# KiCad board sbc.kicad_pcb (continued)
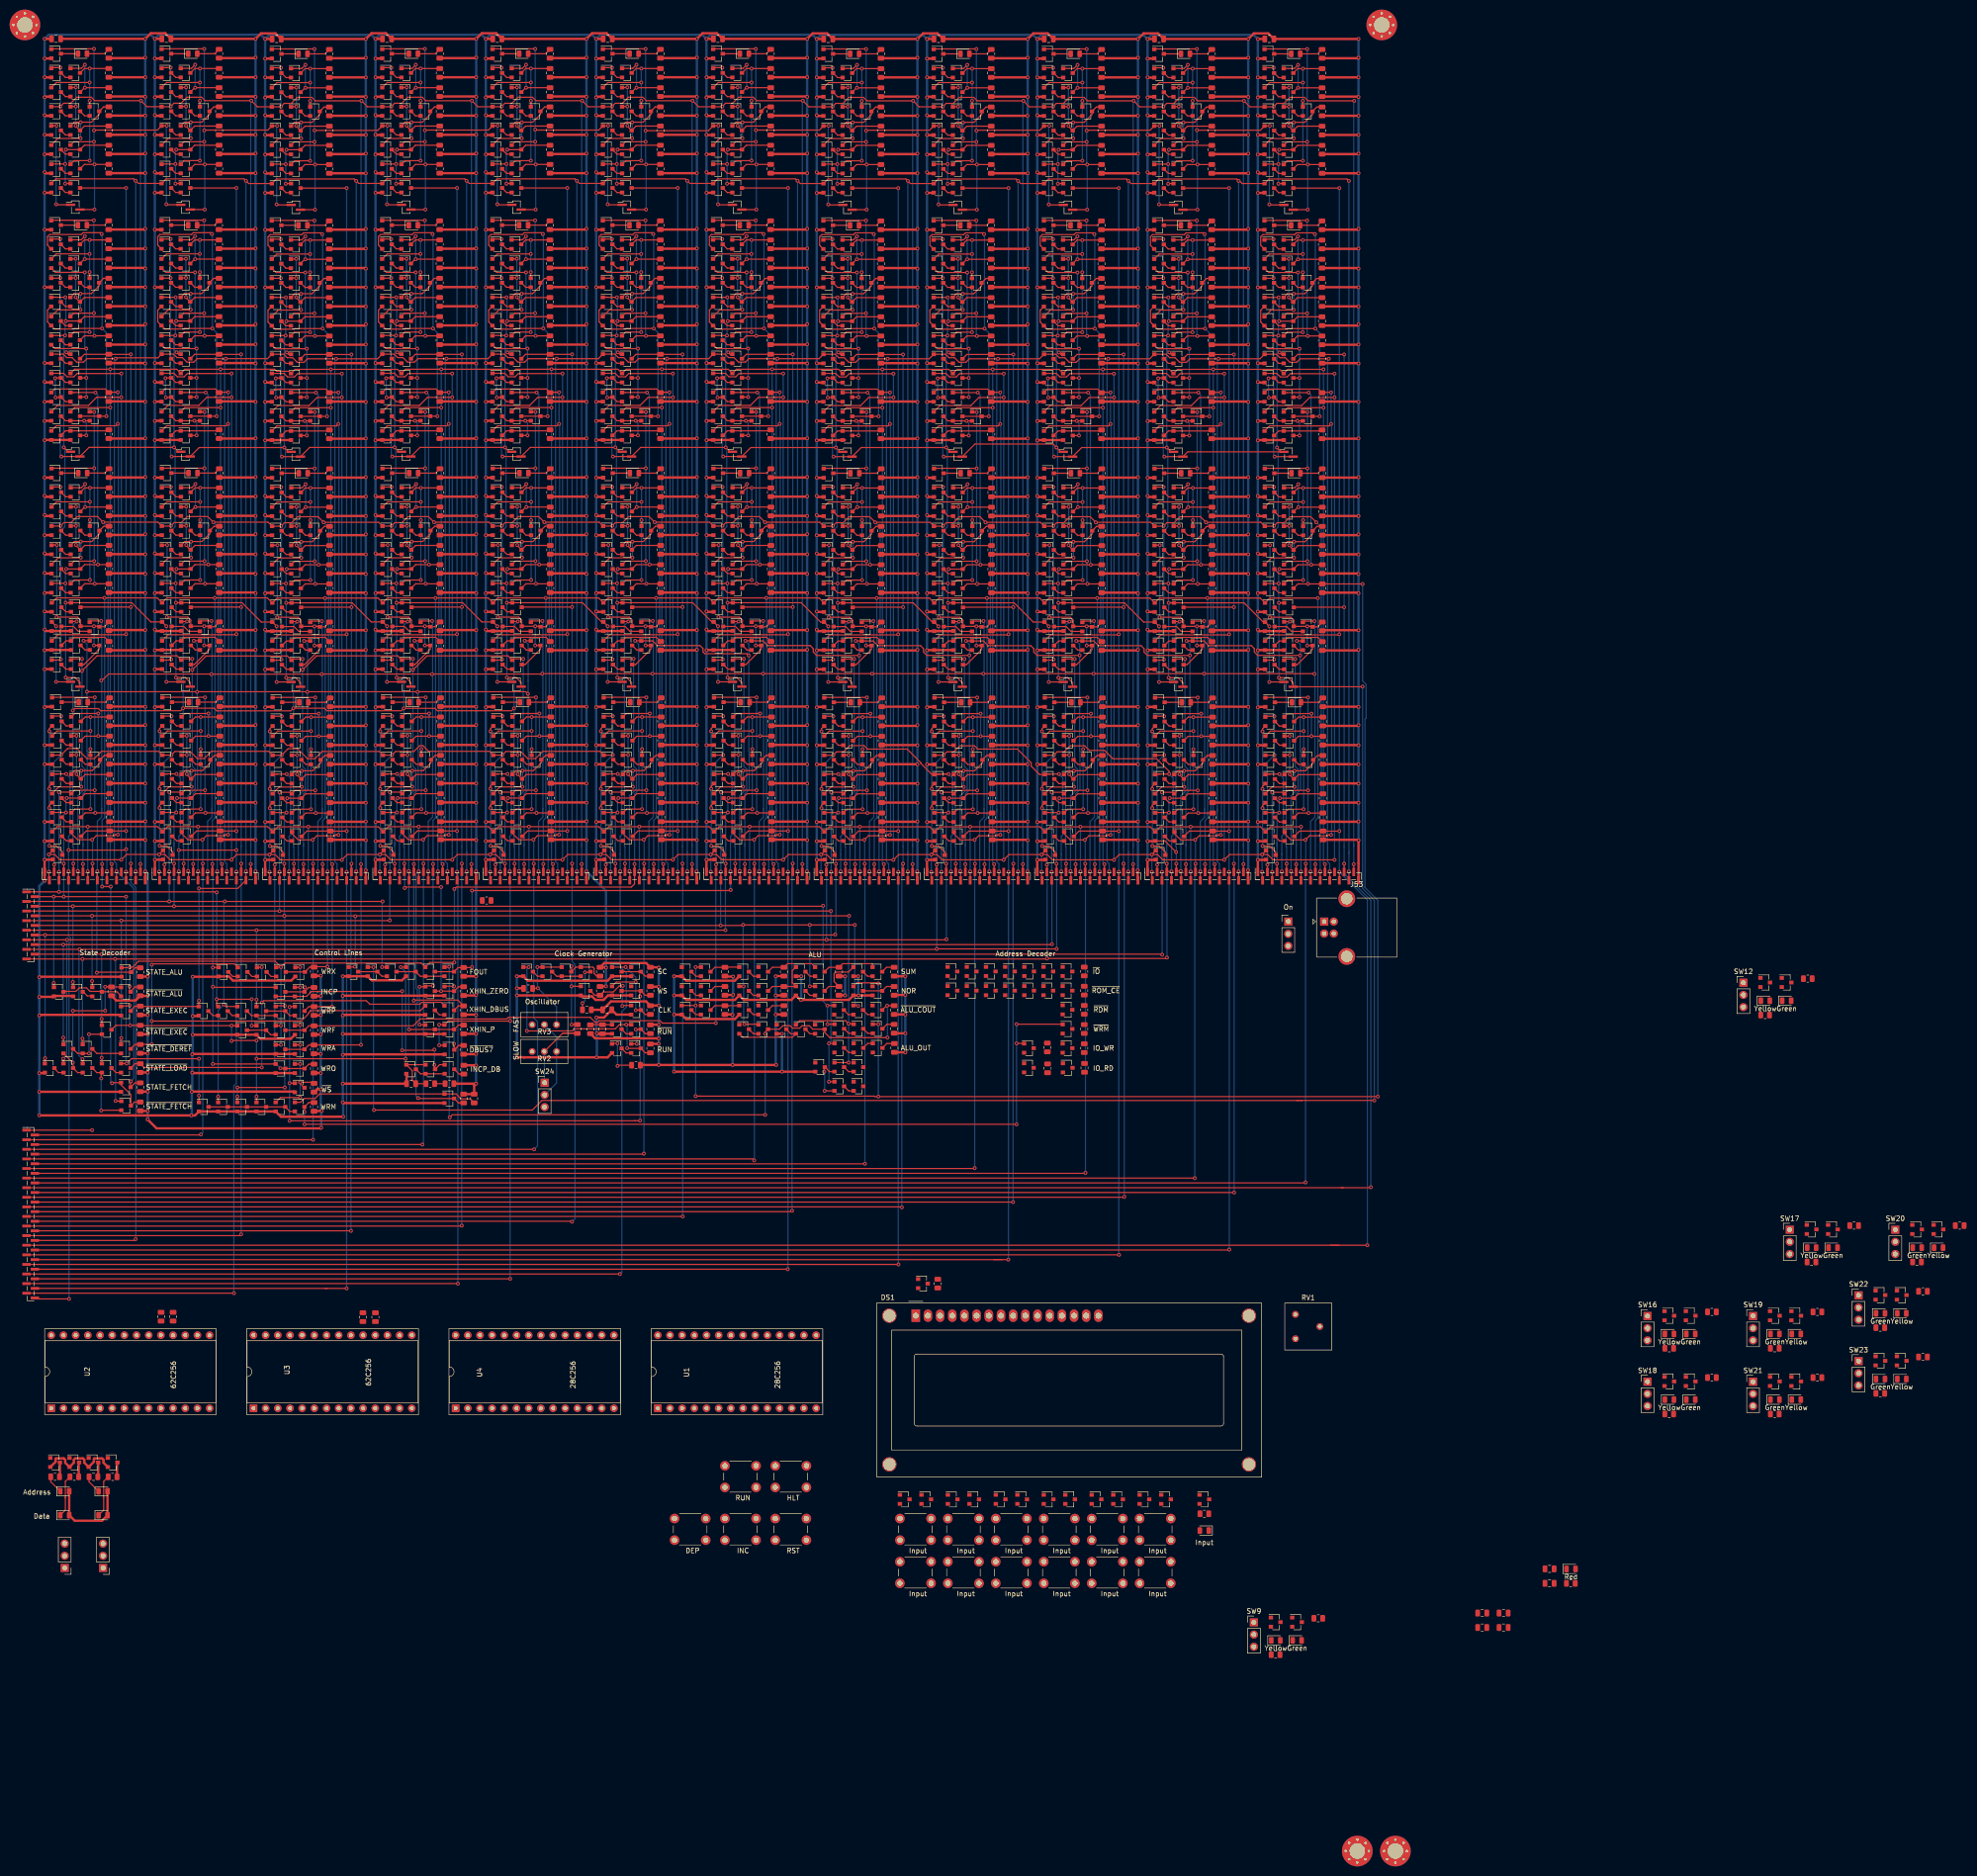
[diagram p0: board, top side]
## Routing (per net, layer and track width the routed paths; a pad name or vN(x,y) marks a point on that pad's centre or on a via; arc(x,y) is an arc through that point) (continued)
  Bottom w0.25: v1(5.1,209.65) 5.1,217.52 v1(5.08,217.55) v1(5.08,221.55) v1(5.08,233.55)
/Bit 11/X Register/X DFF/D: length 40.4
  Top w0.25: Q43.1 5.6,272.39 v1(6.65,272.39) ; Q23.3 12.3,247.45 15.5,250.65 Q21.3 v1(14.4,251.45) ; R12.2 16.54,255.35 Q24.3 15.4,255.45 v1(14.4,255.45) Q25.3 11.6,256.72 10.97,257.35 v1(6.6,257.35)
  Bottom w0.25: 6.55,272.29 v1(6.65,272.39) 6.65,257.4 v1(6.6,257.35) ; v1(14.4,251.45) v1(14.4,255.45)
/Bit 11/XOUT: length 57.4
  Top w0.25: Q31.3 12.46,264.3 v1(14.56,264.3) R14.2 ; v1(14.45,288.39) 14.42,288.42 5.63,288.42 Q20.1 ; Q35.1 10.24,269.03 v1(14.45,269.03) ; v1(14.45,300.15) 13.55,300.15 Q50.1
  Bottom w0.25: v1(14.56,264.3) 14.45,264.42 v1(14.45,269.03) v1(14.45,288.39) 14.45,288.96 v1(14.45,300.15)
/Bit 11/~{P}: length 99.6
  Top w0.25: R25.2 12.39,320.01 Q60.3 v1(8.53,319.1) ; Q58.1 5.53,316.1 v1(8.38,316.1) ; 6.58,324.1 5.53,324.1 Q68.1 5.48,324.05 v1(8.43,324.05) ; v1(8.1,292.75) 9.01,291.85 J5.1 ; v1(7.5,248.55) 7.35,248.4 Q28.1 ; Q45.1 9.01,312.2 v1(8.63,312.58)
  Bottom w0.25: v1(7.5,248.55) 7.5,275.37 8.33,276.19 8.33,292.53 v1(8.1,292.75) 8.1,314.75 ; 8.1,314.75 8.1,313.11 v1(8.63,312.58) ; 8.1,314.75 8.1,315.82 v1(8.38,316.1) 8.38,318.94 v1(8.53,319.1) 8.53,323.95 v1(8.43,324.05)
A0: length 57.1
  Top w0.25: R431.2 v1(267.56,351.73) 265.46,351.73 Q1035.3 ; Q1039.1 258.63,375.85 267.42,375.85 v1(267.45,375.82) ; v1(267.55,342.32) 264.52,342.32 ; Q1040.1 263.24,356.46 v1(267.45,356.46)
  Bottom w0.25: v1(267.45,375.82) v1(267.45,356.46) 267.45,351.85 v1(267.56,351.73) 267.56,342.33 v1(267.55,342.32)
ABUS0: length 480.1
  Top w0.25: v1(275.15,259.42) 264.7,259.42 Q1050.3 ; J45.19 v1(275.15,205.92) ; v1(275.15,312.12) 270.56,312.12 R429.2 265.46,312.13 Q1073.3 ; 274.6,138.35 275,138.35 ; 274.6,138.35 280.62,138.35 v1(280.73,138.45) ; 274.6,138.35 J50.13
  Bottom w0.25: 275.15,209.52 v1(275.15,259.42) v1(275.15,312.12) ; 275.15,209.52 275.15,209.42 ; 275.15,209.52 v1(275.15,205.92) 275.15,203.86 280.73,198.28 v1(280.73,138.45)
ABUS1: length 448.2
  Top w0.25: J41.19 v1(252.15,205.92) ; v1(252.15,312.12) 247.56,312.12 R395.2 242.46,312.13 Q990.3 ; Q967.3 241.7,259.42 v1(252.15,259.42) ; J50.14 v1(252.2,137.35)
  Bottom w0.25: 252.15,209.52 v1(252.15,205.92) 252.2,205.87 v1(252.2,137.35) ; 252.15,209.52 v1(252.15,259.42) v1(252.15,312.12) ; 252.15,209.52 252.15,209.42
ABUS2: length 428.1
  Top w0.25: v1(229.15,259.42) 218.7,259.42 Q884.3 ; v1(229.15,312.12) 224.56,312.12 R361.2 219.46,312.13 Q907.3 ; J37.19 v1(229.15,205.92) ; v1(229.3,136.45) 229.2,136.35 J50.15
  Bottom w0.25: 229.15,209.52 v1(229.15,205.92) 229.3,205.77 v1(229.3,136.45) ; 229.15,209.52 229.15,209.42 ; 229.15,209.52 v1(229.15,259.42) v1(229.15,312.12)
ABUS3: length 404.1
  Top w0.25: v1(206.15,312.12) 201.56,312.12 R327.2 196.46,312.13 Q824.3 ; v1(206.15,259.42) 195.7,259.42 Q801.3 ; J33.19 v1(206.15,205.92) ; J50.16 v1(206.1,135.35)
  Bottom w0.25: 206.15,209.42 206.15,209.52 ; 206.15,209.52 v1(206.15,259.42) v1(206.15,312.12) ; 206.15,209.52 v1(206.15,205.92) 206.1,205.87 v1(206.1,135.35)
ABUS4: length 383.9
  Top w0.25: J29.19 v1(183.15,205.92) ; v1(183.15,312.12) 178.56,312.12 R293.2 173.46,312.13 Q741.3 ; v1(183.15,259.42) 172.7,259.42 Q718.3 ; v1(182.9,134.25) 182.8,134.35 J50.17
  Bottom w0.25: v1(183.15,312.12) v1(183.15,259.42) 183.15,209.52 ; 183.15,209.42 183.15,209.52 ; 183.15,209.52 v1(183.15,205.92) 182.9,205.67 v1(182.9,134.25)
ABUS5: length 360
  Top w0.25: v1(160.15,312.15) 155.56,312.15 R259.2 150.46,312.16 Q658.3 ; Q635.3 149.7,259.45 v1(160.15,259.45) ; J25.19 v1(160.15,205.95) ; v1(160,133.55) 159.8,133.35 J50.18
  Bottom w0.25: 160.15,209.55 v1(160.15,259.45) v1(160.15,312.15) ; 160.15,209.55 v1(160.15,205.95) 160,205.8 v1(160,133.55) ; 160.15,209.55 160.15,209.45
ABUS6: length 340
  Top w0.25: v1(137.15,259.45) 126.7,259.45 Q552.3 ; Q575.3 127.46,312.16 R225.2 132.56,312.15 v1(137.15,312.15) ; J21.19 v1(137.15,205.95) ; J50.19 v1(137.2,132.35)
  Bottom w0.25: v1(137.15,312.15) v1(137.15,259.45) 137.15,209.55 ; 137.15,209.45 137.15,209.55 ; 137.15,209.55 v1(137.15,205.95) 137.2,205.9 v1(137.2,132.35)
ABUS7: length 316.8
  Top w0.25: Q492.3 104.44,312.16 R191.2 109.54,312.15 v1(114.12,312.15) ; Q469.3 103.68,259.45 v1(114.12,259.45) ; J17.19 v1(114.12,205.95) ; J50.20 114,131.35 v1(114.1,131.25)
  Bottom w0.25: v1(114.12,312.15) v1(114.12,259.45) 114.12,209.55 ; 114.12,209.55 v1(114.12,205.95) 114.12,185.5 114.73,184.9 114.73,131.88 v1(114.1,131.25) ; 114.12,209.55 114.12,209.45
ABUS8: length 295.9
  Top w0.25: Q409.3 81.44,312.16 R157.2 86.54,312.15 v1(91.12,312.15) ; Q386.3 80.67,259.45 v1(91.12,259.45) ; J13.19 v1(91.12,205.95) ; J50.21 91,130.35 v1(91.1,130.45)
  Bottom w0.25: v1(91.12,312.15) v1(91.12,259.45) 91.12,209.55 ; 91.12,209.55 v1(91.12,205.95) 91.1,205.92 v1(91.1,130.45) ; 91.12,209.55 91.12,209.45
ABUS9: length 272.1
  Top w0.25: Q326.3 58.41,312.13 R123.2 63.51,312.12 v1(68.1,312.12) ; Q303.3 57.65,259.42 v1(68.1,259.42) ; J9.19 v1(68.1,205.92) ; J50.22 v1(68,129.35)
  Bottom w0.25: v1(68.1,312.12) v1(68.1,259.42) 68.1,209.52 ; 68.1,209.52 v1(68.1,205.92) 68,205.82 v1(68,129.35) ; 68.1,209.52 68.1,209.42
ABUS10: length 251.7
  Top w0.25: Q127.3 35.41,312.16 R36.2 40.51,312.15 v1(45.1,312.15) ; Q104.3 34.65,259.45 v1(45.1,259.45) ; J4.19 v1(45.1,205.95) ; J50.23 44.83,128.35 v1(45.1,128.62)
  Bottom w0.25: v1(45.1,312.15) v1(45.1,259.45) 45.1,209.55 ; 45.1,209.55 v1(45.1,205.95) v1(45.1,128.62) ; 45.1,209.55 45.1,209.45
ABUS11: length 229.4
  Top w0.25: v1(22.1,312.15) 17.51,312.15 R2.2 12.41,312.16 Q45.3 ; v1(22.1,259.45) 11.65,259.45 Q22.3 ; J1.19 v1(22.1,205.95) ; J50.24 22.83,127.35 v1(23.1,127.62)
  Bottom w0.25: 22.1,209.55 v1(22.1,205.95) 22.1,201.99 23.14,200.95 23.14,127.66 v1(23.1,127.62) ; 22.1,209.55 v1(22.1,259.45) v1(22.1,312.15) ; 22.1,209.55 22.1,209.45
ALU_NOR: length 6.9
  Top w0.25: R122.2 179.71,180.31 Q282.3 Q283.3
ALU_OUT: length 23.5
  Top w0.25: R119.2 179.76,168.41 Q261.3 ; v1(6.6,359.85) 5.55,359.85 Q19.1 ; J2.1 6.6,343.35 v1(6.5,343.45)
  Bottom w0.25: v1(6.6,359.85) 6.5,359.75 v1(6.5,343.45)
ALU_SUM: length 2.9
  Top w0.25: Q257.3 179.71,184.31 R117.2
CDIV: length 65.7
  Top w0.25: Q1100.3 265.62,216.49 v1(267.72,216.49) R456.2 ; v1(267.61,240.58) 267.58,240.61 258.79,240.61 Q1104.1 ; v1(267.61,221.22) 263.4,221.22 Q1105.1 262.42,220.82 v1(260.15,220.82) ; v1(260.15,204.22) J45.4
  Bottom w0.25: v1(267.72,216.49) 267.61,216.61 v1(267.61,221.22) v1(267.61,240.58) ; v1(260.15,220.82) v1(260.15,204.22)
CLK: length 58.8
  Top w0.25: Q1108.1 258.86,236.68 v1(260.61,236.68) ; v1(260.61,228.58) 260.56,228.53 Q1111.1 ; J45.3 v1(259.15,205.72) ; v1(127.4,175.35) 127.45,175.4 Q231.3 129.36,174.49 R97.2 ; v1(125.3,184.35) Q226.1 ; v1(127.4,181.25) 123.35,181.25 Q233.1
  Bottom w0.25: 259.15,209.72 259.15,224.17 259.08,224.23 259.08,227.06 v1(260.61,228.58) v1(260.61,236.68) ; 259.15,209.72 259.15,209.42 ; 259.15,209.72 v1(259.15,205.72) ; v1(125.3,184.35) 127.4,182.25 v1(127.4,181.25) v1(127.4,175.35)
DBUS0: length 541.6
  Top w0.25: v1(274.15,346.82) Q1033.3 ; Q1058.1 259.93,253.64 274.02,253.64 v1(274.15,253.77) ; J45.18 v1(274.15,204.22) ; Q1031.3 265.86,212.73 R430.2 270.76,212.72 v1(274.15,212.72) ; v1(280,126.35) 272.4,126.35 ; 272.4,126.35 J50.25 ; 272.4,126.35 274.1,126.35
  Bottom w0.25: v1(274.15,346.82) v1(274.15,253.77) v1(274.15,212.72) v1(274.15,204.22) 280,198.37 v1(280,126.35)
DBUS1: length 507.9
  Top w0.25: v1(251.15,346.82) Q950.3 ; Q975.1 236.93,253.64 251.02,253.64 v1(251.15,253.77) ; J41.18 v1(251.15,204.22) ; Q948.3 242.86,212.73 R396.2 247.76,212.72 v1(251.15,212.72) ; J50.26 251.1,125.35 v1(251.2,125.45)
  Bottom w0.25: v1(251.15,346.82) v1(251.15,253.77) v1(251.15,212.72) v1(251.15,204.22) 251.2,204.17 v1(251.2,125.45)
DBUS2: length 487.7
  Top w0.25: v1(228.15,346.82) Q867.3 ; v1(228.15,253.77) 228.02,253.64 213.93,253.64 Q892.1 ; Q865.3 219.86,212.73 R362.2 224.76,212.72 v1(228.15,212.72) ; J37.18 v1(228.15,204.22) ; J50.27 v1(228.2,124.35)
  Bottom w0.25: v1(228.15,346.82) v1(228.15,253.77) v1(228.15,212.72) v1(228.15,204.22) 228.15,124.6 228.2,124.55 v1(228.2,124.35)
DBUS3: length 465.6
  Top w0.25: J33.18 v1(205.15,204.22) ; v1(205.15,346.82) Q784.3 ; v1(205.15,212.72) 201.76,212.72 R328.2 196.86,212.73 Q782.3 ; v1(205.15,253.77) 205.02,253.64 190.93,253.64 Q809.1 ; J50.28 202.1,123.35 ; 202.1,123.35 203.9,123.35 ; 202.1,123.35 v1(205.1,123.35)
  Bottom w0.25: v1(205.15,346.82) v1(205.15,253.77) v1(205.15,212.72) v1(205.15,204.22) 205.15,123.4 v1(205.1,123.35)
DBUS4: length 443.7
  Top w0.25: Q726.1 167.93,253.64 182.02,253.64 v1(182.15,253.77) ; J29.18 v1(182.15,204.22) ; v1(182.15,346.82) Q701.3 ; Q699.3 173.86,212.73 R294.2 178.76,212.72 v1(182.15,212.72) ; J50.29 v1(182.2,122.35)
  Bottom w0.25: v1(182.15,346.82) v1(182.15,253.77) v1(182.15,212.72) v1(182.15,204.22) 182.15,122.4 v1(182.2,122.35)
DBUS5: length 419.9
  Top w0.25: v1(159.15,253.8) 159.02,253.67 144.93,253.67 Q643.1 ; v1(159.15,346.85) Q618.3 ; Q616.3 150.86,212.76 R260.2 155.76,212.75 v1(159.15,212.75) ; J25.18 v1(159.15,204.25) ; J50.30 v1(159.1,121.35)
  Bottom w0.25: v1(159.15,346.85) v1(159.15,253.8) v1(159.15,212.75) v1(159.15,204.25) 159.15,121.4 v1(159.1,121.35)
DBUS6: length 415.6
  Top w0.25: J21.18 v1(136.15,204.25) ; v1(136.15,346.85) Q535.3 ; v1(136.15,253.8) 136.02,253.67 121.93,253.67 Q560.1 ; J21.6 v1(124.15,204.35) ; v1(123.66,224.64) 120.79,224.64 Q615.1 120.76,224.61 121.81,224.61 ; v1(136.15,212.75) 132.76,212.75 R226.2 127.86,212.76 Q533.3 ; J50.31 v1(124.1,120.35)
  Bottom w0.25: v1(136.15,204.25) v1(136.15,212.75) v1(136.15,253.8) v1(136.15,346.85) ; 124.15,207.95 v1(124.15,204.35) 124.15,184.43 125.43,183.15 125.43,176 124.5,175.08 124.5,120.75 v1(124.1,120.35) ; 124.15,207.95 124.15,207.85 ; 124.15,207.95 124.15,211.65 124.49,211.98 124.49,223.81 v1(123.66,224.64)
DBUS7: length 411.5
  Top w0.25: Q450.3 104.84,212.76 R192.2 109.74,212.75 v1(113.12,212.75) ; Q477.1 98.9,253.67 113,253.67 v1(113.12,253.8) ; v1(113.12,346.85) Q452.3 ; J17.18 v1(113.12,204.25) ; 98.79,224.61 97.74,224.61 Q532.1 97.77,224.64 v1(100.63,224.64) ; J17.6 v1(101.12,204.35) ; v1(101.2,173.15) 101.15,173.1 88.3,173.1 Q191.1 87.45,172.35 v1(86.4,172.35) ; Q197.1 v1(86.4,168.05) ; J50.32 v1(101.2,119.35)
  Bottom w0.25: v1(113.12,346.85) v1(113.12,253.8) v1(113.12,212.75) v1(113.12,204.25) ; v1(100.63,224.64) 101.46,223.81 101.46,211.98 101.12,211.65 101.12,207.95 ; 101.12,207.95 v1(101.12,204.35) 101.2,204.27 v1(101.2,173.15) v1(101.2,119.35) ; 101.12,207.95 101.12,207.85 ; v1(86.4,168.05) v1(86.4,172.35)
DBUS8: length 382.7
  Top w0.25: Q367.3 81.84,212.76 R158.2 86.74,212.75 v1(90.12,212.75) ; Q394.1 75.9,253.67 90,253.67 v1(90.12,253.8) ; v1(90.12,346.85) Q369.3 ; J13.18 v1(90.12,204.25) ; 75.79,224.61 74.74,224.61 Q449.1 74.77,224.64 v1(77.63,224.64) ; J13.6 v1(78.12,204.35) ; J50.33 v1(90.3,118.35)
  Bottom w0.25: v1(90.12,346.85) v1(90.12,253.8) v1(90.12,212.75) v1(90.12,204.25) 90.3,204.07 v1(90.3,118.35) ; v1(77.63,224.64) 78.46,223.81 78.46,211.98 78.12,211.65 78.12,207.95 ; v1(78.12,204.35) 78.12,207.95 ; 78.12,207.95 78.12,207.85
DBUS9: length 359.2
  Top w0.25: Q284.3 58.81,212.73 R124.2 63.71,212.72 v1(67.1,212.72) ; Q311.1 52.88,253.64 66.97,253.64 v1(67.1,253.77) ; v1(67.1,346.82) Q286.3 ; J9.18 v1(67.1,204.22) ; 52.76,224.58 51.71,224.58 Q366.1 51.74,224.61 v1(54.61,224.61) ; J9.6 v1(55.1,204.32) ; J50.34 62.6,117.35 ; 62.6,117.35 v1(67.1,117.35) ; 62.6,117.35 63.1,117.35
  Bottom w0.25: v1(67.1,346.82) v1(67.1,253.77) v1(67.1,212.72) v1(67.1,204.22) v1(67.1,117.35) ; v1(54.61,224.61) 55.44,223.79 55.44,211.96 55.1,211.62 55.1,207.92 ; v1(55.1,204.32) 55.1,207.92 ; 55.1,207.92 55.1,207.82
DBUS10: length 350.2
  Top w0.25: Q85.3 35.81,212.76 R37.2 40.71,212.75 v1(44.1,212.75) ; Q112.1 29.88,253.67 43.97,253.67 v1(44.1,253.8) ; v1(44.1,346.85) Q87.3 ; J4.18 v1(44.1,204.25) ; 29.76,224.61 28.71,224.61 Q167.1 28.74,224.64 v1(31.61,224.64) ; J4.6 v1(32.1,204.35) ; J50.35 v1(43.6,116.35) ; v1(32.1,208.75) v1(44.1,208.75)
  Bottom w0.25: v1(44.1,346.85) v1(44.1,253.8) v1(44.1,212.75) v1(44.1,208.75) v1(44.1,204.25) 44.1,160.12 43.57,159.6 43.57,116.38 v1(43.6,116.35) ; v1(31.61,224.64) 32.44,223.82 32.44,211.99 32.1,211.65 v1(32.1,208.75) 32.1,207.95 ; v1(32.1,204.35) 32.1,207.95 ; 32.1,207.95 32.1,207.85
DBUS11: length 315.6
  Top w0.25: 6.76,224.61 5.71,224.61 Q84.1 5.74,224.64 v1(8.61,224.64) ; v1(21.1,253.8) 20.97,253.67 6.88,253.67 Q30.1 ; v1(9.1,208.75) 20.9,208.75 v1(21.1,208.95) ; v1(21.1,212.75) 17.71,212.75 R3.2 12.81,212.76 Q2.3 ; J1.18 v1(21.1,204.25) ; v1(21.1,346.85) Q5.3 ; J1.6 v1(9.1,204.35) ; J50.36 2.27,115.15 v1(9.2,115.15)
  Bottom w0.25: 9.1,207.95 v1(9.1,208.75) 9.1,211.65 9.44,211.99 9.44,223.82 v1(8.61,224.64) ; 9.1,207.95 9.1,207.85 ; 9.1,207.95 v1(9.1,204.35) 9.1,190.82 9.53,190.4 9.53,189.7 9.2,189.38 v1(9.2,115.15) ; v1(21.1,346.85) v1(21.1,253.8) v1(21.1,212.75) v1(21.1,208.95) v1(21.1,204.25)
DEP: length 462.4
  Top w0.25: J4.10 v1(36.1,204.35) ; J17.10 v1(105.12,204.35) ; J13.10 v1(82.12,204.35) ; J9.10 v1(59.1,204.32) ; J21.10 v1(128.15,204.35) ; J25.10 v1(151.15,204.35) ; J29.10 v1(174.15,204.32) ; J41.10 v1(243.15,204.32) ; v1(266.15,213.62) 259.8,213.62 Q1032.1 257.7,213.62 v1(243.15,213.62) 236.8,213.62 Q949.1 234.7,213.62 v1(220.15,213.62) 213.8,213.62 Q866.1 211.7,213.62 v1(197.15,213.62) 190.8,213.62 Q783.1 188.7,213.62 v1(174.15,213.62) 167.8,213.62 Q700.1 165.68,213.65 v1(151.15,213.65) 144.8,213.65 Q617.1 142.7,213.65 v1(128.15,213.65) 121.8,213.65 Q534.1 119.7,213.65 v1(105.12,213.65) 98.78,213.65 Q451.1 96.68,213.65 v1(82.12,213.65) 75.78,213.65 Q368.1 73.7,213.62 v1(59.1,213.62) 52.75,213.62 Q285.1 50.62,213.65 v1(36.1,213.65) 29.75,213.65 Q86.1 27.65,213.65 v1(13.1,213.65) 6.75,213.65 Q3.1 ; J45.10 v1(266.15,204.32) ; J37.10 v1(220.15,204.32) ; J33.10 v1(197.15,204.32) ; J1.10 v1(13.1,204.35) ; v1(82,157.05) 82.1,156.95 Q1123.3 90.41,156.04 R478.2
  Bottom w0.25: v1(36.1,204.35) v1(36.1,213.65) ; v1(105.12,204.35) v1(105.12,213.65) ; v1(82.12,213.65) v1(82.12,204.35) 81.57,203.79 81.57,179.9 81.85,179.63 81.85,177.03 81.57,176.75 81.57,157.48 v1(82,157.05) ; v1(59.1,204.32) v1(59.1,213.62) ; v1(128.15,204.35) v1(128.15,213.65) ; v1(151.15,204.35) v1(151.15,213.65) ; v1(174.15,204.32) v1(174.15,213.62) ; v1(220.15,204.32) v1(220.15,213.62) ; v1(197.15,204.32) v1(197.15,213.62) ; v1(266.15,204.32) v1(266.15,213.62) ; v1(243.15,204.32) v1(243.15,213.62) ; v1(13.1,204.35) v1(13.1,213.65)
F: length 304.8
  Top w0.25: v1(152.61,221.24) 148.4,221.24 Q690.1 147.42,220.85 v1(145.15,220.85) ; v1(152.61,240.61) 152.58,240.63 143.79,240.63 Q689.1 ; v1(145.15,204.25) J25.4 ; Q685.3 150.62,216.52 v1(152.72,216.52) R286.2 ; v1(150.05,172.45) 152.9,172.45 Q265.1 ; Q267.1 173.7,176.35 v1(173.8,176.25) ; Q262.1 v1(163.7,180.35) ; v1(149.9,180.35) Q259.1 ; v1(173.1,193.15) v1(163.7,193.15) v1(149.8,193.15) 149.7,193.05 v1(145.1,193.05) J49.8
  Bottom w0.25: v1(152.72,216.52) 152.61,216.63 v1(152.61,221.24) v1(152.61,240.61) ; v1(145.15,220.85) v1(145.15,204.25) 145.1,204.2 v1(145.1,193.05) ; v1(173.1,193.15) 173.07,193.12 173.07,176.98 v1(173.8,176.25) ; v1(149.8,193.15) 149.8,180.45 v1(149.9,180.35) 149.9,172.6 v1(150.05,172.45) ; v1(163.7,180.35) v1(163.7,193.15)
FAST_IN: length 16.7
  Bottom w0.25: RV3.2 110.88,169.81 RV2.3 110.88,160.19 SW24.2
FAST_OUT: length 18
  Top w0.25: 112.25,170.54 R93.1 115.14,170.6 112.19,170.6 RV2.2
  Bottom w0.25: SW24.1 108.34,160.31 RV2.2
INCP_CLK: length 60.6
  Top w0.25: v1(260.43,336.17) 258.68,336.17 Q1092.1 ; v1(260.65,290.82) 264.52,290.82 ; Q1095.1 260.38,328.02 v1(260.43,328.07) ; Q196.3 58.3,180.05 v1(58.4,180.15) ; Q196.3 59.21,180.11 R84.2 ; Q196.3 Q195.3
  Bottom w0.25: v1(260.43,336.17) v1(260.43,328.07) 260.43,291.04 v1(260.65,290.82)
INCP_DB: length 52.5
  Top w0.25: v1(85.4,167.15) 85.25,167 v1(78.67,167) ; Q241.1 86.5,164 Q240.3 85.4,163.2 v1(85.4,163.95) ; v1(78.67,179.35) 78.6,179.27 59.76,179.27 58.74,178.25 Q196.2 Q195.2
  Bottom w0.25: v1(85.4,167.15) v1(85.4,163.95) ; v1(78.67,179.35) v1(78.67,167)
NEXTF: length 108.9
  Top w0.25: J25.6 v1(147.15,204.35) ; v1(146.66,224.64) 143.79,224.64 Q698.1 143.76,224.61 144.81,224.61 ; v1(147.2,200.45) 147.07,200.32 v1(93.25,200.32) ; v1(93.25,184.35) 93.16,184.26 R90.2 90.36,184.26 Q212.3 Q213.3
  Bottom w0.25: v1(146.66,224.64) 147.49,223.81 147.49,211.98 147.15,211.65 147.15,207.95 ; 147.15,207.95 v1(147.15,204.35) 147.2,204.3 v1(147.2,200.45) ; 147.15,207.95 147.15,207.85 ; v1(93.25,184.35) v1(93.25,200.32)
OP2: length 177.5
  Top w0.25: Q436.3 81.6,216.52 v1(83.7,216.52) R184.2 ; v1(83.59,240.61) 83.56,240.63 74.76,240.63 Q440.1 ; v1(83.59,221.24) 79.37,221.24 Q441.1 78.4,220.85 v1(76.12,220.85) ; v1(76.12,204.25) J13.4 ; v1(20.1,169.55) 20.05,169.5 Q169.1 ; v1(76.1,194.1) 76.05,194.05 v1(20.1,194.05) J49.7
  Bottom w0.25: v1(83.59,240.61) v1(83.59,221.24) 83.59,216.63 v1(83.7,216.52) ; v1(76.12,220.85) v1(76.12,204.25) 76.1,204.22 v1(76.1,194.1) ; v1(20.1,169.55) v1(20.1,194.05)
OP3: length 280.3
  Top w0.25: Q353.3 58.57,216.49 v1(60.67,216.49) R150.2 ; v1(60.56,240.58) 60.53,240.61 51.74,240.61 Q357.1 ; v1(60.56,221.22) 56.35,221.22 Q358.1 55.37,220.82 v1(53.1,220.82) ; v1(53.1,204.22) J9.4 ; Q278.1 v1(167.7,160.45) ; J49.5 v1(53.1,196.05) v1(168.1,196.05) ; v1(167.7,168.45) Q276.1
  Bottom w0.25: v1(60.56,240.58) v1(60.56,221.22) 60.56,216.61 v1(60.67,216.49) ; v1(53.1,220.82) v1(53.1,204.22) v1(53.1,196.05) ; 168.1,193.75 168.1,194.35 ; 168.1,193.75 v1(168.1,196.05) ; 168.1,193.75 168.1,168.85 v1(167.7,168.45) v1(167.7,160.45)
OP4: length 206.4
  Top w0.25: Q154.3 35.57,216.52 v1(37.67,216.52) R63.2 ; v1(37.56,240.61) 37.53,240.64 28.74,240.64 Q158.1 ; v1(37.56,221.25) 33.35,221.25 Q159.1 32.37,220.85 v1(30.1,220.85) ; v1(30.1,204.25) J4.4 ; Q216.1 v1(74.5,184.35) ; v1(41.5,176.55) 41.9,176.15 Q211.1 ; v1(74.6,198.05) v1(41.7,198.05) v1(30.1,198.05) J49.3 ; Q222.1 v1(40.3,157.35)
  Bottom w0.25: v1(37.56,240.61) v1(37.56,221.25) 37.56,216.64 v1(37.67,216.52) ; v1(30.1,220.85) v1(30.1,204.25) v1(30.1,198.05) ; v1(74.6,198.05) 74.5,197.95 v1(74.5,184.35) ; v1(40.3,157.35) 40.3,175.35 v1(41.5,176.55) 41.5,197.85 v1(41.7,198.05)
OP5: length 147.3
  Top w0.25: Q72.3 12.57,216.52 v1(14.67,216.52) R30.2 ; v1(14.56,240.61) 14.53,240.64 5.74,240.64 Q69.1 ; v1(14.56,221.25) 10.35,221.25 Q76.1 9.37,220.85 v1(7.1,220.85) ; J49.1 v1(7.1,200.05) 39.9,200.05 v1(40,199.95) ; v1(47.3,177.65) v1(40,177.65) 40,176.45 Q214.1 ; v1(7.1,204.25) J1.4 ; v1(47.3,172.15) Q206.1
  Bottom w0.25: v1(14.56,240.61) v1(14.56,221.25) 14.56,216.64 v1(14.67,216.52) ; v1(40,199.95) v1(40,177.65) ; v1(7.1,200.05) v1(7.1,204.25) v1(7.1,220.85) ; v1(47.3,177.65) v1(47.3,172.15)
RDA_DBUS: length 2086.1
  Top w0.25: v1(46.1,204.35) J4.20 44.4,200.78 v1(36.3,200.78) ; J17.20 v1(115.12,204.35) ; J13.20 v1(92.12,204.35) ; J9.20 v1(69.1,204.32) ; J25.20 v1(161.15,204.35) ; J37.20 v1(230.15,204.32) ; J41.20 v1(253.15,204.32) ; J21.20 v1(138.15,204.35) ; J33.20 v1(207.15,204.32) ; J45.20 v1(276.15,204.32) ; v1(276.15,348.32) 275.75,348.72 259.5,348.72 Q1034.1 253.88,347.77 253.33,348.32 v1(253.15,348.32) 252.75,348.72 236.5,348.72 Q951.1 230.7,347.77 v1(230.15,348.32) 229.75,348.72 213.5,348.72 Q868.1 207.7,347.77 v1(207.15,348.32) 206.75,348.72 190.5,348.72 Q785.1 184.7,347.77 v1(184.15,348.32) 183.75,348.72 167.5,348.72 Q702.1 161.72,347.77 v1(161.15,348.35) 160.75,348.74 144.5,348.74 Q619.1 138.7,347.8 v1(138.15,348.35) 137.75,348.74 121.5,348.74 Q536.1 115.68,347.8 v1(115.12,348.35) 114.73,348.74 98.47,348.74 Q453.1 92.68,347.8 v1(92.12,348.35) 91.73,348.74 75.47,348.74 Q370.1 69.62,347.8 v1(69.1,348.32) 68.7,348.72 52.45,348.72 Q287.1 46.68,347.77 v1(46.1,348.35) 45.7,348.75 29.45,348.75 Q88.1 23.65,347.8 v1(23.1,348.35) 22.7,348.75 6.45,348.75 Q6.1 ; J29.20 v1(184.15,204.32) ; v1(36.3,177.35) 36.25,177.3 Q215.1 24.11,176.15 R78.2 22.96,176.21 22.05,175.3 ; J1.20 v1(23.1,204.35)
  Bottom w0.25: v1(46.1,204.35) 46.1,208.45 ; 46.1,208.45 v1(46.1,348.35) ; 46.1,208.45 46.1,207.95 ; v1(115.12,204.35) 115.12,208.45 ; 115.12,208.45 v1(115.12,348.35) ; 115.12,208.45 115.12,207.95 ; v1(92.12,204.35) 92.12,208.45 ; 92.12,208.45 v1(92.12,348.35) ; 92.12,208.45 92.12,207.95 ; v1(69.1,204.32) 69.1,208.42 ; 69.1,208.42 v1(69.1,348.32) ; 69.1,208.42 69.1,207.92 ; 138.15,207.95 138.15,208.45 ; 138.15,208.45 v1(138.15,348.35) ; 138.15,208.45 v1(138.15,204.35) ; v1(161.15,204.35) 161.15,208.45 ; 161.15,208.45 161.15,207.95 ; 161.15,208.45 v1(161.15,348.35) ; 184.15,207.92 184.15,208.42 ; 184.15,208.42 v1(184.15,348.32) ; 184.15,208.42 v1(184.15,204.32) ; 230.15,208.42 v1(230.15,348.32) ; 230.15,208.42 v1(230.15,204.32) ; 230.15,208.42 230.15,207.92 ; v1(253.15,204.32) 253.15,208.42 ; 253.15,208.42 253.15,207.92 ; 253.15,208.42 v1(253.15,348.32) ; 207.15,207.92 207.15,208.42 ; 207.15,208.42 v1(207.15,204.32) ; 207.15,208.42 v1(207.15,348.32) ; 276.15,207.92 276.15,208.42 ; 276.15,208.42 v1(276.15,204.32) ; 276.15,208.42 v1(276.15,348.32) ; v1(23.1,204.35) 23.1,208.45 ; 23.1,208.45 v1(23.1,348.35) ; 23.1,208.45 23.1,207.95 ; v1(36.3,177.35) v1(36.3,200.78)
RDM: length 106.1
  Top w0.25: v1(48.3,165.25) v1(79.4,165.25) ; Q224.1 v1(48.3,157.35) ; Q205.1 v1(43.1,172.15) 24.11,172.15 R73.2 ; v1(43.1,168.95) 43.2,169.05 v1(48.3,169.05) ; R73.2 v1(21.96,172.21) 18.96,172.21 Q173.3 ; R73.2 23.7,172.21 ; v1(78.4,184.35) Q217.1 ; 20.05,176.25 21.75,176.25 v1(21.85,176.35)
  Bottom w0.25: v1(79.4,165.25) 79.4,183.35 v1(78.4,184.35) ; v1(21.85,176.35) 21.85,172.33 v1(21.96,172.21) ; v1(43.1,168.95) v1(43.1,172.15) ; v1(48.3,169.05) 48.3,169.05 v1(48.3,165.25) v1(48.3,157.35)
RDP_ABUS: length 1647.5
  Top w0.25: J4.16 v1(42.1,204.35) ; J17.16 v1(111.12,204.35) ; J13.16 v1(88.12,204.35) ; J9.16 v1(65.1,204.32) ; J21.16 v1(134.15,204.35) ; J45.16 v1(272.15,204.32) ; J25.16 v1(157.15,204.35) ; J41.16 v1(249.15,204.32) ; J29.16 v1(180.15,204.32) ; v1(271.95,311.22) 265.99,311.22 265.26,310.49 263.84,310.49 262.89,311.44 261.76,311.44 261.04,312.17 Q1074.1 257.6,311.22 v1(248.95,311.22) 242.99,311.22 242.26,310.49 240.84,310.49 239.89,311.44 238.76,311.44 238.04,312.17 Q991.1 234.6,311.22 v1(225.95,311.22) 219.99,311.22 219.26,310.49 217.84,310.49 216.89,311.44 215.76,311.44 215.04,312.17 Q908.1 211.6,311.22 v1(202.95,311.22) 196.99,311.22 196.26,310.49 194.84,310.49 193.89,311.44 192.76,311.44 192.04,312.17 Q825.1 188.6,311.22 v1(179.95,311.22) 173.99,311.22 173.26,310.49 171.84,310.49 170.89,311.44 169.76,311.44 169.04,312.17 Q742.1 165.62,311.25 v1(156.95,311.25) 150.99,311.25 150.26,310.52 148.84,310.52 147.89,311.47 146.76,311.47 146.04,312.2 Q659.1 142.6,311.25 v1(133.95,311.25) 127.99,311.25 127.26,310.52 125.84,310.52 124.89,311.47 123.76,311.47 123.04,312.2 Q576.1 119.6,311.25 v1(110.93,311.25) 104.96,311.25 104.24,310.52 102.81,310.52 101.86,311.47 100.74,311.47 100.01,312.2 Q493.1 96.57,311.25 v1(87.92,311.25) 81.96,311.25 81.24,310.52 79.81,310.52 78.86,311.47 77.74,311.47 77.01,312.2 Q410.1 73.55,311.22 v1(64.9,311.22) 58.94,311.22 58.21,310.49 56.79,310.49 55.84,311.44 54.71,311.44 53.99,312.17 Q327.1 50.58,311.25 v1(41.9,311.25) 35.94,311.25 35.21,310.52 33.79,310.52 32.84,311.47 31.71,311.47 30.99,312.2 Q128.1 27.72,311.42 19.07,311.42 v1(18.9,311.25) 12.94,311.25 12.21,310.52 10.79,310.52 9.84,311.47 8.71,311.47 7.99,312.2 Q46.1 ; J37.16 v1(226.15,204.32) ; J33.16 v1(203.15,204.32) ; J1.16 v1(19.1,204.35) ; R77.2 22.96,160.21 Q183.3 22.05,160.5 v1(22.1,160.55)
  Bottom w0.25: v1(41.9,311.25) 41.65,311 41.65,217.3 ; 41.65,217.3 41.65,216.8 ; 41.65,217.3 41.65,206.37 42.1,205.92 v1(42.1,204.35) 42.05,204.4 ; v1(110.93,311.25) 110.67,310.99 110.67,217.3 ; 110.67,217.3 110.67,216.8 ; 110.67,217.3 110.67,206.37 111.12,205.92 v1(111.12,204.35) 111.07,204.4 ; v1(87.92,311.25) 87.67,310.99 87.67,217.3 ; 87.67,217.3 87.67,216.8 ; 87.67,217.3 87.67,206.37 88.12,205.92 v1(88.12,204.35) 88.07,204.4 ; v1(64.9,311.22) 64.65,310.97 64.65,217.27 ; 64.65,217.27 64.65,216.77 ; 64.65,217.27 64.65,206.34 65.1,205.89 v1(65.1,204.32) 65.05,204.37 ; 133.7,216.8 133.7,217.3 ; 133.7,217.3 133.7,310.99 v1(133.95,311.25) ; 133.7,217.3 133.7,206.37 134.15,205.92 v1(134.15,204.35) 134.1,204.4 ; 271.7,217.27 271.7,206.34 272.15,205.89 v1(272.15,204.32) 272.1,204.37 ; 271.7,217.27 271.7,310.97 v1(271.95,311.22) ; 271.7,217.27 271.7,216.77 ; 156.7,216.8 156.7,217.3 ; 156.7,217.3 156.7,206.37 157.15,205.92 v1(157.15,204.35) 157.1,204.4 ; 156.7,217.3 156.7,310.99 v1(156.95,311.25) ; 179.7,217.27 179.7,206.34 180.15,205.89 v1(180.15,204.32) 180.1,204.37 ; 179.7,217.27 179.7,310.97 v1(179.95,311.22) ; 179.7,217.27 179.7,216.77 ; 225.7,217.27 225.7,206.34 226.15,205.89 v1(226.15,204.32) 226.1,204.37 ; 225.7,217.27 225.7,216.77 ; 225.7,217.27 225.7,310.97 v1(225.95,311.22) ; 248.7,217.27 248.7,206.34 249.15,205.89 v1(249.15,204.32) 249.1,204.37 ; 248.7,217.27 248.7,310.97 v1(248.95,311.22) ; 248.7,217.27 248.7,216.77 ; 202.7,216.77 202.7,217.27 ; 202.7,217.27 202.7,310.97 v1(202.95,311.22) ; 202.7,217.27 202.7,206.34 203.15,205.89 v1(203.15,204.32) 203.1,204.37 ; v1(18.9,311.25) 18.65,311 18.65,217.3 ; 18.65,217.3 18.65,206.37 19.1,205.92 v1(19.1,204.35) ; 18.65,217.3 18.65,216.8 ; v1(19.1,204.35) 19.05,204.4 ; v1(19.1,204.35) 22.69,200.76 22.69,161.14 v1(22.1,160.55)
